# KiCad board AmigaPCI Mainboard.kicad_pcb (continued)
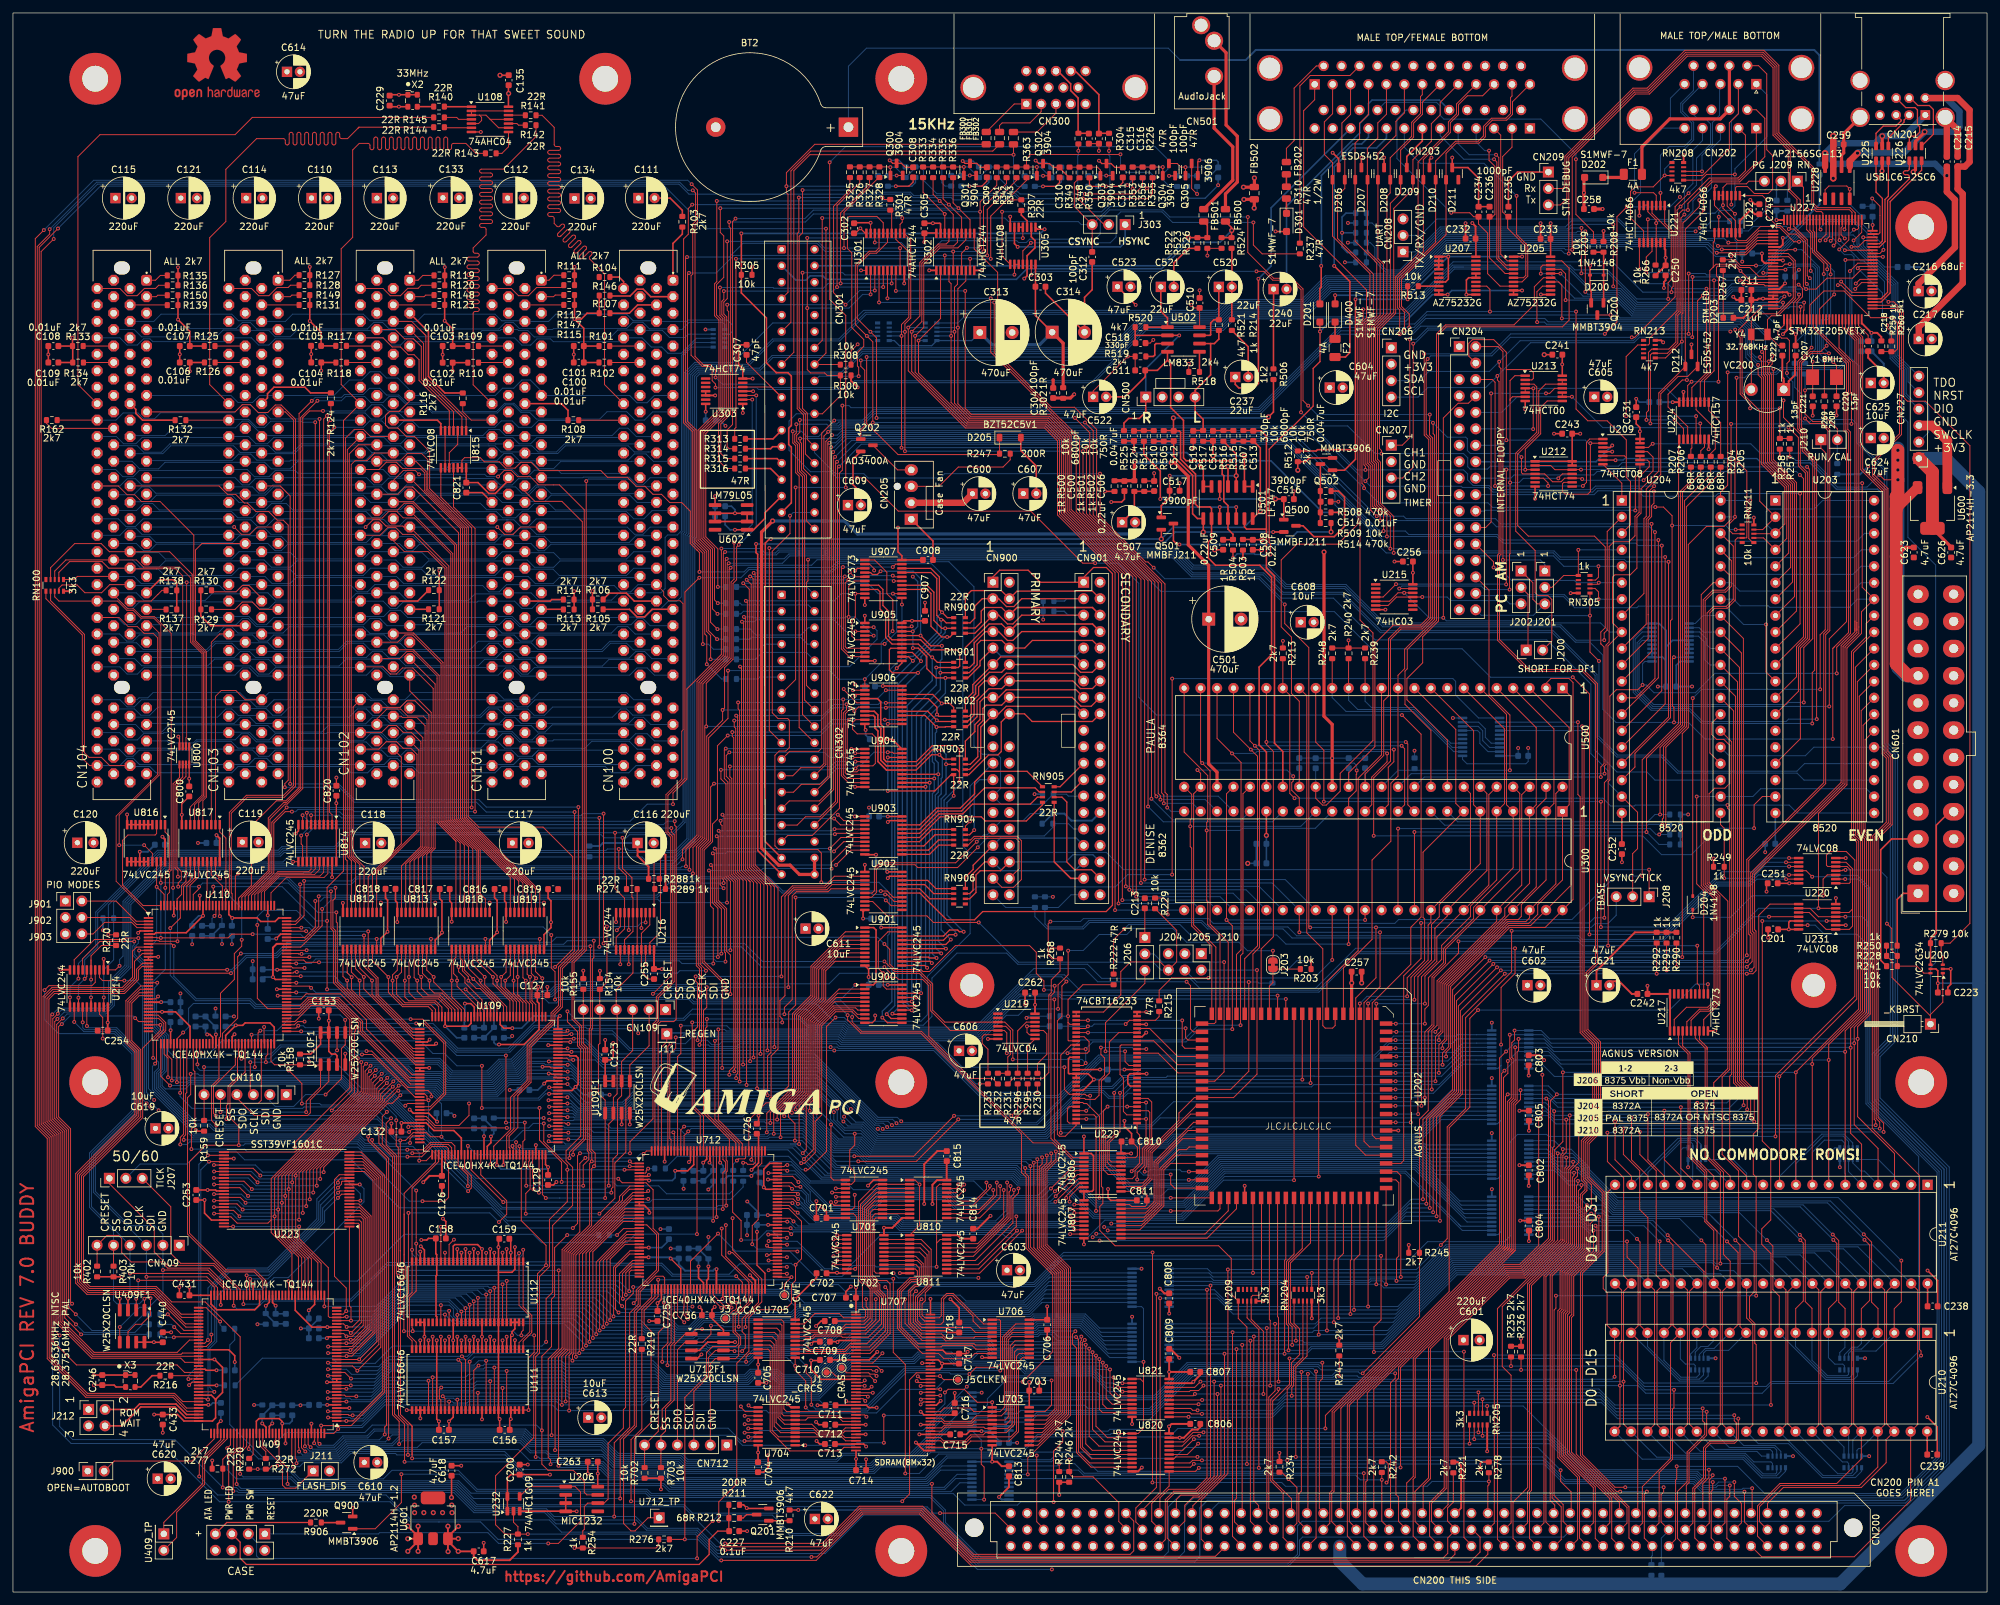
[diagram p0: board, top side]
## Routing (per net, layer and track width the routed paths; a pad name or vN(x,y) marks a point on that pad's centre or on a via; arc(x,y) is an arc through that point) (continued)
Net-(D200-K): length 9.3
  Top w0.25: 245.6,206.88 D200.1 245.6,199.15 ; R209.2 R208.1
Net-(D201-A): length 31
  Top w0.25: v1(201.99,204.77) 201.99,201.48 201.79,201.28 D201.2
  Bottom w0.25: CN203.35 209.29,224.66 208.23,223.6 206.88,223.6 202.02,218.74 202.02,204.8 v1(201.99,204.77)
Net-(D202-K): length 3.5
  Top w0.5: F1.1 248.23,218.44 D202.1
Net-(D203-K): length 7.3
  Top w0.15: D203.1 264.06,204.01
Net-(D204-K): length 27.5
  Top w0.15: v1(279.49,107.53) 279.49,110.09 280.13,110.74 U220.3 ; D204.1 v1(259.36,104.2)
  Bottom w0.15: v1(279.49,107.53) 279.48,107.52 268.53,107.52 265.21,104.2 v1(259.36,104.2)
Net-(D301-K): length 2.3
  Top w0.25: R310.2 196.62,212.91
Net-(D400-K): length 2.6
  Top w0.25: 204.13,196.09 F2.1
Net-(FB202-Pad1): length 1.9
  Top w0.25: FB202.1 R310.1
Net-(J206-A): length 4.5
  Top w0.15: C213.1 174.76,101.09
Net-(J210-B): length 10
  Top w0.15: 279.94,181.37 281.69,179.62 J210.2 ; 279.94,181.37 279.68,181.63 ; 279.94,181.37 279.69,181.62 R269.2
  Bottom w0.15: R224.2 281.67,177.93
Net-(J211-Pin_1): length 15.3
  Top w0.15: U409.125 38.58,22.57 41.61,19.54 41.61,16.52 42.08,16.05 43.64,16.05 46.35,18.76
Net-(J212-Pin_2): length 15.5
  Top w0.25: U409.106 26.81,27.41 25.19,29.03 19.54,29.03 18.71,28.2 J212.2
Net-(J212-Pin_4): length 16.3
  Top w0.25: U409.107 26.67,26.91 25,28.58 19.73,28.58 16.81,25.66 J212.4
Net-(J303-A): length 22.8
  Top w0.25: U305.6 154.63,208.22 v1(155.13,207.72)
  Bottom w0.25: v1(155.13,207.72) 170.99,207.72 171.72,208.45 J303.1
Net-(J303-C): length 14.2
  Top w0.15: v1(164.4,216.7) 164.4,215.22 168.46,211.16 ; R304.2 164.51,222.56 v1(164.5,222.55)
  Bottom w0.15: v1(164.4,216.7) 164.4,221.78 164.5,221.88 v1(164.5,222.55)
Net-(J712_TP0-Pin_1): length 44.8
  Top w0.15: J712_TP0.1 98.07,11.47 96.04,9.44 95.43,9.44 94.28,10.59 94.28,23.64 96.24,25.6 96.24,43.18 98.62,45.56 U712.37
Net-(Q201-B): length 3.2
  Top w0.2: Q201.1 119.9,11.01
Net-(Q201-C): length 2.9
  Top w0.2: Q201.3 113.26,11.96 112.74,11.44 R211.2
Net-(Q300-B): length 55
  Top w0.15: R325.2 R328.2 135.43,220.07 v1(135.47,220.03) 135.47,218.77 ; v1(165.19,215.17) 175.14,215.17 175.95,215.98 R355.1
  Bottom w0.15: 139.35,219.94 R329.2 136.22,220.03 v1(135.47,220.03) ; R330.1 140.07,220.07 140.57,219.57 140.57,218 142.63,215.94 154.82,215.94 155.59,215.17 v1(165.19,215.17)
Net-(Q300-E): length 3.8
  Top w0.15: v1(136.44,218.74) 137.38,218.74
  Bottom w0.15: v1(136.44,218.74) R331.1 R332.1
Net-(Q301-B): length 40.8
  Top w0.15: v1(165.49,215.89) 173.14,215.89 174.41,217.16 R356.1 ; R333.2 146.81,220.06 v1(146.82,220.07) Q301.1
  Bottom w0.15: v1(146.82,220.07) 147.49,220.07 R337.2 150.68,219.94 ; v1(165.49,215.89) 155.49,215.89 155.14,216.23 154.38,216.23 152.18,218.43 152.18,219.67 151.79,220.06 R338.1
Net-(Q301-E): length 3.8
  Top w0.15: v1(147.73,218.75) 148.69,218.75
  Bottom w0.15: R340.1 147.72,218.76 v1(147.73,218.75)
Net-(Q302-B): length 36.5
  Top w0.15: Q302.1 158.1,220.04 v1(158.09,220.05) 158.09,220.05 R341.2 ; v1(171,222.01) 170.96,221.97 157.13,221.97 156.49,221.33 R363.2
  Bottom w0.15: 160.32,218.5 R345.1 ; v1(171,222.01) 171,220.18 171.95,219.23 175.55,219.23 175.95,218.83 R354.1 ; R344.2 158.65,220.05 v1(158.09,220.05)
Net-(Q302-E): length 3.8
  Top w0.15: v1(159.05,218.69) 159.99,218.69
  Bottom w0.15: R347.1 159.04,218.7 v1(159.05,218.69)
Net-(Q303-B): length 5.8
  Top w0.15: Q303.1 167.9,219.58 167.45,220.03 R349.2
Net-(Q303-E): length 3.8
  Top w0.15: v1(168.81,218.72) 169.79,218.72
  Bottom w0.15: R352.1 168.81,218.71 v1(168.81,218.72)
Net-(Q304-B): length 10.6
  Top w0.15: Q304.1 177.54,220.03 v1(177.53,220.04) R353.2
  Bottom w0.15: R357.2 v1(177.53,220.04)
Net-(Q304-C): length 7.6
  Top w0.15: Q305.1 v1(181.04,220.03) 180.33,220.03 179.77,220.59 Q304.3
  Bottom w0.15: R359.2 v1(181.04,220.03)
Net-(Q304-E): length 5.2
  Top w0.15: v1(178.5,218.68) 179.4,218.68
  Bottom w0.15: v1(178.5,218.68) 178.51,218.69 R360.2
Net-(Q305-C): length 6.2
  Top w0.15: v1(182.83,215.88) 181.99,216.72 Q305.3
  Bottom w0.15: v1(182.83,215.88) R360.1
Net-(Q500-G): length 15.9
  Top w0.25: R508.1 204.68,170.01 205.6,169.09 205.6,164.56 204.01,162.97 200.87,162.97 199.19,164.64 Q500.3
Net-(Q500-S): length 34.1
  Top w0.25: R511.2 174.61,175.65 177.15,173.11 v1(177.15,168.79) ; v2(194.93,168.79) 196.2,168.79 ; U501.5 v1(186.33,168.79) ; 196.22,165.59 196.22,168.76
  Bottom w0.25: v1(177.15,168.79) v2(194.93,168.79)
Net-(Q501-G): length 29.4
  Top w0.25: v1(180.11,161.76) 179.75,161.76 179.18,162.34 Q501.3 ; v2(203.51,163.7) 203.51,163.7 R514.1
  Bottom w0.25: v2(203.51,163.7) 198.29,163.7 196.36,161.76 v1(180.11,161.76)
Net-(Q501-S): length 25.1
  Top w0.25: U501.3 v2(188.87,172.38) 188.87,175.74 R516.2 ; Q501.1 177.3,167.75 178.58,169.03 178.58,172.35 v1(178.61,172.38)
  Bottom w0.25: v1(178.61,172.38) v2(188.87,172.38)
Net-(Q502-B): length 48
  Top w0.25: v1(207.29,199.62) 207.29,199.61 207.29,174.92 205.59,173.23 Q502.1 ; R513.2 v1(215.34,199.62) ; 207.26,176.4 201.41,176.4 201.21,176.2 R512.2
  Bottom w0.25: v1(207.29,199.62) v1(215.34,199.62)
Net-(Q502-C): length 9.1
  Top w0.25: R514.2 201.86,174.17
Net-(Q900-C): length 2.9
  Top w0.25: Q900.3 47.72,10.72
Net-(R141-Pad2): length 2.7
  Top w0.15: U108.12 79.23,228.06
Net-(R142-Pad2): length 2.7
  Top w0.15: R142.2 78.06,226.51 77.81,226.76 U108.10
Net-(R143-Pad2): length 4.6
  Top w0.15: R143.2 75.5,222.16 76.51,223.17 U108.8
Net-(R144-Pad2): length 4.1
  Top w0.15: U108.6 66.7,226.11
Net-(R145-Pad2): length 4.3
  Top w0.15: R145.2 68.52,227.71 68.82,227.41 U108.4
Net-(R226-Pad2): length 35.1
  Top w0.15: U305.8 152.72,206.29 v1(152.72,213.14) ; R226.2 v1(169.23,222.53)
  Bottom w0.15: v1(152.72,213.14) 168.09,213.14 169.37,214.41 169.37,221.7 169.23,221.84 v1(169.23,222.53)
Net-(R230-Pad2): length 8.7
  Top w0.15: R230.2 158.18,81.58 159.63,83.03 159.63,86.19 159.11,86.71 U219.10
Net-(R231-Pad2): length 10.5
  Top w0.15: R232.2 R231.2 153.6,82.62 154,83.02 154,86.65 153.29,87.36 U219.4
Net-(R233-Pad2): length 8.6
  Top w0.15: U219.6 149.95,86.06 149.65,85.76 149.65,84.71 150.54,83.82 R233.2
Net-(R295-Pad2): length 5.8
  Top w0.15: U219.8 156.66,84.27 156.66,80.11
Net-(R296-Pad2): length 9.8
  Top w0.15: U219.12 156.47,88.01 155.13,86.67 155.13,80.12
Net-(R307-Pad1): length 3
  Top w0.25: R307.1 155.69,212.64 156.58,211.75 U305.3
Net-(RN904A-R1.1): length 8.9
  Top w0.2: 145.32,117.77 141.87,117.77 139.96,115.86 U903.14
Net-(RN904B-R2.1): length 8.7
  Top w0.2: RN904.2 142.37,116.94 140.64,115.21 U903.13
Net-(RN904C-R3.1): length 8.6
  Top w0.2: RN904.3 142.92,116.14 141.35,114.56 U903.12
Net-(RN904D-R4.1): length 8.6
  Top w0.2: RN904.4 142.94,115.34 141.52,113.91 137.25,113.91
Net-(RN905A-R1.1): length 27.2
  Top w0.2: RN905.1 156.57,126.74 150.16,126.74 148.48,125.06 148.48,123.27 146.27,121.05 142.61,121.05 140.02,118.46 U903.18
Net-(RN905B-R2.1): length 24.6
  Top w0.2: 137.25,117.81 140.01,117.81 142.8,120.6 146.46,120.6 150.03,124.18 157.82,124.18 158.45,123.55 RN905.2
Net-(RN905C-R3.1): length 24
  Top w0.2: RN905.3 158.17,122.75 157.09,121.67 148.16,121.67 146.64,120.16 142.98,120.16 139.99,117.16 U903.16
Net-(RN905D-R4.1): length 24.7
  Top w0.2: RN905.4 158.96,121.56 156.47,119.07 150.14,119.07 149.5,119.7 143.17,119.7 139.98,116.51 U903.15
Net-(U108-Pad11): length 18.5
  Top w0.15: 73.68,227.41 73.03,228.06 72.03,228.06 ; 73.68,227.41 U108.11 ; 73.68,227.41 74.98,226.11 U108.9 ; U108.5 71.89,226.76 72.36,227.23 72.36,227.73 72.03,228.06 ; 72.03,228.06 U108.3 U108.2 U108.13
Net-(U109-GNDPLL0): length 5.6
  Top w0.25: U109.53 v1(72.73,70.38)
  Bottom w0.25: v1(72.73,70.38) 72.73,71.58 ; 72.72,71.59 71.2,71.59
Net-(U109-GNDPLL1): length 6.5
  Top w0.25: v1(73.01,90.39) 73.23,90.17 U109.127
  Bottom w0.25: C139.2 C138.2 72.73,90.11 v1(73.01,90.39)
Net-(U109-VCCPLL0): length 8.1
  Top w0.25: v1(73.8,70.34) 73.8,69.39 73.23,68.82 U109.54
  Bottom w0.25: C136.1 C137.1 ; 72.72,73.06 R157.1 74.24,70.78 v1(73.8,70.34)
Net-(U109-VCCPLL1): length 9.7
  Top w0.25: U109.126 73.73,90.78 v1(73.66,90.86)
  Bottom w0.25: R156.1 74.27,90.24 v1(73.66,90.86) ; C139.1 C138.1 74.27,87.13
Net-(U110-GNDPLL0): length 4.9
  Top w0.25: v1(29.99,86.1) 30.41,86.1 30.84,85.67 U110.53
  Bottom w0.25: C150.2 C149.2 29.73,86.36 v1(29.99,86.1)
Net-(U110-GNDPLL1): length 4.9
  Top w0.15: v1(31.11,104.4) 31.34,104.63 U110.127
  Bottom w0.15: C152.2 30.74,104.03 v1(31.11,104.4)
  Bottom w0.25: C152.2 C151.2
Net-(U110-VCCPLL0): length 6.3
  Top w0.25: U110.54 v1(31.34,86.1)
  Bottom w0.25: v1(31.34,86.1) 31.27,86.17 R161.1 29.73,88.82 ; C150.1 C149.1
Net-(U110-VCCPLL1): length 7
  Top w0.15: U110.126 31.84,104.47 v1(31.94,104.37)
  Bottom w0.15: R160.1 32.27,104.04 v1(31.94,104.37)
  Bottom w0.25: 30.74,101.4 R160.1 ; C151.1 C152.1
Net-(U214-1Y1): length 16.5
  Top w0.15: 12.06,97.59 12.06,98.23 13.66,99.84 R270.1 ; 12.06,97.59 12.06,96.07 ; 12.06,97.59 12.06,94.58 v1(12.06,94.58) ; 12.05,89.7 12.05,91.28 12.06,91.27 12.06,90.32 12.06,91.81 v1(12.05,91.82)
  Bottom w0.15: v1(12.06,94.58) 12.05,94.57 v1(12.05,91.82)
Net-(U216-1Y1): length 9.4
  Top w0.15: 96.38,108.55 96.38,104.92 ; 96.38,104.92 96.38,99.17
Net-(U220-Pad6): length 25.1
  Top w0.15: 275.74,104.93 277.35,104.93 279.95,102.33 283.53,102.33 284.03,102.83 284.03,106.35 ; 281.46,104.93 283.49,104.93 284.03,105.47 284.03,106.35 ; 284.03,106.35 284.03,111.68 283.02,112.69 U220.6
Net-(U227-PE0): length 34.9
  Top w0.15: v1(271.18,213.99) 274.71,213.99 274.95,213.75 U227.97 274.95,210.91 277.05,208.82 277.05,203.26 v1(277.43,202.88)
  Bottom w0.15: v1(271.18,213.99) 268.88,211.69 R282.2 ; R284.2 276.7,194.03 277.69,195.02 277.69,202.62 v1(277.43,202.88)
Net-(U227-PE1): length 32.9
  Top w0.15: v1(276.97,201.99) 276.75,202.21 276.75,208.69 274.96,210.47 v1(274.2,210.47) 274.45,210.73 U227.98
  Bottom w0.15: v1(276.97,201.99) 277.38,201.57 277.38,195.14 275.11,192.87 R285.2 ; v1(274.2,210.47) 273.79,210.88 268.67,210.88 267.97,210.18 R283.2
Net-(U227-VCAP_1): length 4
  Top w0.15: C218.1 286.44,194.07 284.95,195.56 U227.49
Net-(U227-VCAP_2): length 9.4
  Top w0.15: v1(285.68,209.2) U227.73
  Bottom w0.15: v1(285.68,209.2) 285.68,207.92 288.99,204.61 C219.1
Net-(U301-1Y2): length 3.4
  Top w0.15: U301.14 135.67,213.17
Net-(U409-GNDPLL0): length 4.6
  Top w0.25: v1(40.56,44.22) 40.08,44.7 U409.53
  Bottom w0.25: 40.56,44.23 40.56,42.98 ; 42.13,42.97 40.57,42.97
Net-(U409-GNDPLL1): length 4.6
  Top w0.25: U409.127 39.58,25.58 v1(40.04,26.04)
  Bottom w0.25: v1(40.04,26.04) 40.04,27.32 ; C436.2 C437.2
Net-(U409-IO0_190): length 4.1
  Top w0.15: U409.122 37.08,21.24 R220.1
Net-(U409-IO0_191): length 4.3
  Top w0.15: U409.124 38.08,22.65 39.04,21.69 R272.1
Net-(U409-IO1_109): length 5.6
  Top w0.15: v1(31.99,41.77) 29.84,43.91 U409.73
  Bottom w0.15: R293.1 31.99,41.25 v1(31.99,41.77)
Net-(U409-IO1_116): length 7
  Top w0.15: v1(23.91,42.89) 26.39,40.41 U409.80
  Bottom w0.15: v1(23.91,42.89) R273.1
Net-(U409-IO1_117): length 6.6
  Top w0.15: v1(24.9,40.91) 25.9,39.91 U409.81
  Bottom w0.15: R274.1 24.47,41.34 v1(24.9,40.91)
Net-(U409-IO1_118): length 6.2
  Top w0.15: v1(24.84,39.33) 24.92,39.41 U409.82
  Bottom w0.15: R275.1 23.16,39.33 v1(24.84,39.33)
Net-(U409-IO1_147): length 4
  Top w0.25: U409.97 v1(31.44,31.91)
  Bottom w0.25: v1(31.44,31.91) 31.45,31.92 R217.2
Net-(U409-VCCPLL0): length 6.8
  Top w0.25: v1(39.04,44.2) 39.58,44.74 U409.54
  Bottom w0.25: 42.13,41.42 40.56,41.42 39.03,42.95 ; 39.04,44.21 39.04,43.03
Net-(U409-VCCPLL1): length 6.7
  Top w0.25: U409.126 39.08,25.45 v1(38.49,26.04)
  Bottom w0.25: 40.04,28.78 R400.1 ; C437.1 C436.1 ; v1(38.49,26.04) 38.49,27.23
Net-(U501A--): length 14.6
  Top w0.25: U501.1 U501.2 v2(190.14,175.44) ; 185.29,177.76 183.81,177.76 ; C515.1 v2(185.29,175.45)
  Bottom w0.25: v2(185.29,175.45) 185.3,175.44 v2(190.14,175.44)
Net-(U501B--): length 18.9
  Top w0.25: 171.6,177.75 C524.1 173.08,176.2 v1(173.09,176.19) ; U501.6 U501.7 183.79,173.4 v1(183.23,173.96)
  Bottom w0.25: v1(183.23,173.96) 181.25,175.94 173.33,175.94 v1(173.09,176.19)
Net-(U502A-+): length 5.1
  Top w0.25: U502.3 176.48,192.78 176.3,192.61 176.3,191.02 176.08,190.8 R519.1
Net-(U502B-+): length 3.1
  Top w0.25: R518.1 183.2,191.51
Net-(U712-GNDPLL0): length 6.6
  Top w0.25: v1(105.85,50.27) 105.85,48.52 106.62,47.76 U712.53
  Bottom w0.25: C735.2 C730.2 v1(105.85,50.27)
Net-(U712-GNDPLL1): length 4.8
  Top w0.25: v1(106.57,66.3) 107.12,66.84 U712.127
  Bottom w0.25: v1(106.57,66.3) 106.57,65.06 ; C729.2 C728.2
Net-(U712-IO0_169): length 5.1
  Top w0.15: v1(112.74,66.29) 113.2,66.29 113.44,66.05 114.33,66.05 114.62,66.34 U712.112
  Bottom w0.15: v1(112.74,66.29) R251.1
Net-(U712-IO0_172): length 4.3
  Top w0.15: U712.115 113.12,67.03 112.98,66.89 112.04,66.89 v1(111.78,66.63)
  Bottom w0.15: v1(111.78,66.63) 111.22,66.07 111.22,65.11
Net-(U712-IO2_57): length 8.5
  Top w0.15: U712.38 99.12,45.64 97.1,43.62 R219.1
Net-(U712-IO3_3B): length 2.8
  Top w0.15: U712.4 97.66,64.7 97.78,64.82 97.78,65.09 v1(98.07,65.38)
  Bottom w0.15: v1(98.07,65.38) 99.06,65.38
Net-(U712-IO3_14A_GBIN6): length 4.9
  Top w0.15: v1(93.27,55.13) 94.26,56.12 96.63,56.12
  Bottom w0.15: v1(93.27,55.13) R218.1
Net-(U712-VCCPLL0): length 8.5
  Top w0.25: U712.54 107.12,48.12 107.38,48.38 v1(107.38,50.27)
  Bottom w0.25: C735.1 C730.1 ; 105.85,52.97 R701.2 v1(107.38,50.27)
Net-(U712-VCCPLL1): length 7.6
  Top w0.25: 107.62,67 107.62,66.39 v1(107.54,66.32) ; 107.62,67 U712.126 ; 107.62,67 107.62,66.38
  Bottom w0.25: v1(107.54,66.32) 108.12,65.74 R700.1 ; C729.1 C728.1 108.12,65.03
Net-(U815-Pad6): length 5.7
  Top w0.15: U815.9 U815.6
Net-(U815-Pad10): length 6.3
  Top w0.15: U815.3 68.67,177.24 67.37,175.94 U815.10
Net-(X2-OUT): length 2.5
  Top w0.25: 64.97,229.37 62.44,229.37
Net-(X3-OUT): length 4.6
  Top w0.25: X3.3 19.75,31.66 21.49,33.41 R216.2

## Copper pours and planes (outline as drawn; the poured copper is in the pictures)
+1V2 on Top: 60.53,16.43 60.52,11.05 63.71,11.04 63.71,5.71 66.03,5.71 66.03,11.04 69.02,11.04 69.02,16.43
+1V2 on In2.Cu: 81.58,39.11 120.7,39.16 120.6,110.42 -0.22,110.5 -0.03,-0.03 81.58,-0.09
+3V3 on In3.Cu: 304.8,0 0,0.03 0,243.84 304.8,243.84
+3V3SB on In3.Cu: 269.35,214.1 269.35,193.39 283.78,193.42 283.87,172.51 302.14,172.51 302.12,204.86 289.6,204.87 289.6,214.19
+5V on In2.Cu: 304.71,0.08 -0.09,0.1 -0.09,243.92 304.71,243.92
+5VSB on In2.Cu: 272.4,240.03 272.36,170.4 304.78,170.41 304.75,239.91
+12V on In3.Cu: 63.09,216.69 73.15,216.69 73.15,207.84 83.32,207.84 83.32,216.67 93.37,216.67 93.37,207.84 103.59,207.86 103.62,198.8 10.64,198.77 10.64,207.79 42.88,207.82 42.88,216.65 52.75,216.67 52.75,207.84 63.05,207.84
-12V on Bottom: 22.68,207.81 22.65,216.3 32.75,216.3 32.75,207.81 103.59,207.86 103.62,198.8 10.64,198.77 10.64,207.79
GND on Top: 304.79,0.03 -0.01,0.06 -0.01,243.87 304.79,243.87
GND on Bottom: 304.78,0.06 -0.02,0.08 -0.02,243.9 304.78,243.9
GND on In1.Cu: 304.66,0.02 -0.14,0.05 -0.14,243.86 304.66,243.86
GND on In4.Cu: 304.67,0.05 -0.13,0.07 -0.13,243.89 304.67,243.89
+AV on In2.Cu: 178.16,205.01 171.12,205 171.1,159.53 208.06,159.56 208.03,176.67 195.91,176.68 195.92,182.74 193.29,182.73 193.29,215.77 178.15,215.75
+VID on In2.Cu: 127.93,222.01 187.12,222.01 187.12,216.58 127.9,216.55
AUDIO on In1.Cu: 178.15,205.03 171.11,205.02 171.09,159.55 208.05,159.58 208.02,176.69 195.9,176.7 195.91,182.76 193.28,182.75 193.28,215.79 178.14,215.77

Small or netless copper shapes (teardrops, artwork), in the pictures only: 5874 on Top, 3394 on Bottom, 201 on In2.Cu, 73 on In3.Cu

## Text on the board
Top: https://github.com/AmigaPCI | AmigaPCI REV 7.0 BUDDY
F.Mask: https://github.com/AmigaPCI | AmigaPCI REV 7.0 BUDDY
F.Silkscreen: STM LED | ATA LED / PWR LED / PWR SW / RESET | JLCJLCJLCJLC | J901 | J902 | J903 | OPEN=AUTOBOOT | ROM / WAIT | ALL 2k7 | + | 1 | J204 J205 J210 | CN203 | CN200 THIS SIDE | AGNUS VERSION | VSYNC/TICK | PG | RN | CN200 PIN A1 / GOES HERE! | 28.63636MHz NTSC / 28.37516MHz PAL | 3904 | 3906 | 47R / 1/2W | AGNUS | CSYNC | HSYNC | GND / Rx / Tx | CRESET / SS / SDO / SCLK / SDI / GND | CASE | GND / +3V3 / SDA / SCL | CH1 / GND / CH2 / GND | TX/RX/GND | TURN THE RADIO UP FOR THAT SWEET SOUND | DENISE | PAULA | TDO / NRST / DIO / GND / SWCLK / +3V3 | 3 | 2 | 4 | PRIMARY | SECONDARY | 50/60 | D0-D15 | D16-D31 | 15KHz | R | L | NO COMMODORE ROMS! | ODD | EVEN | AM | PC
